# Altium PCB FPGA.PcbDoc (part 1 of 2) (continued)
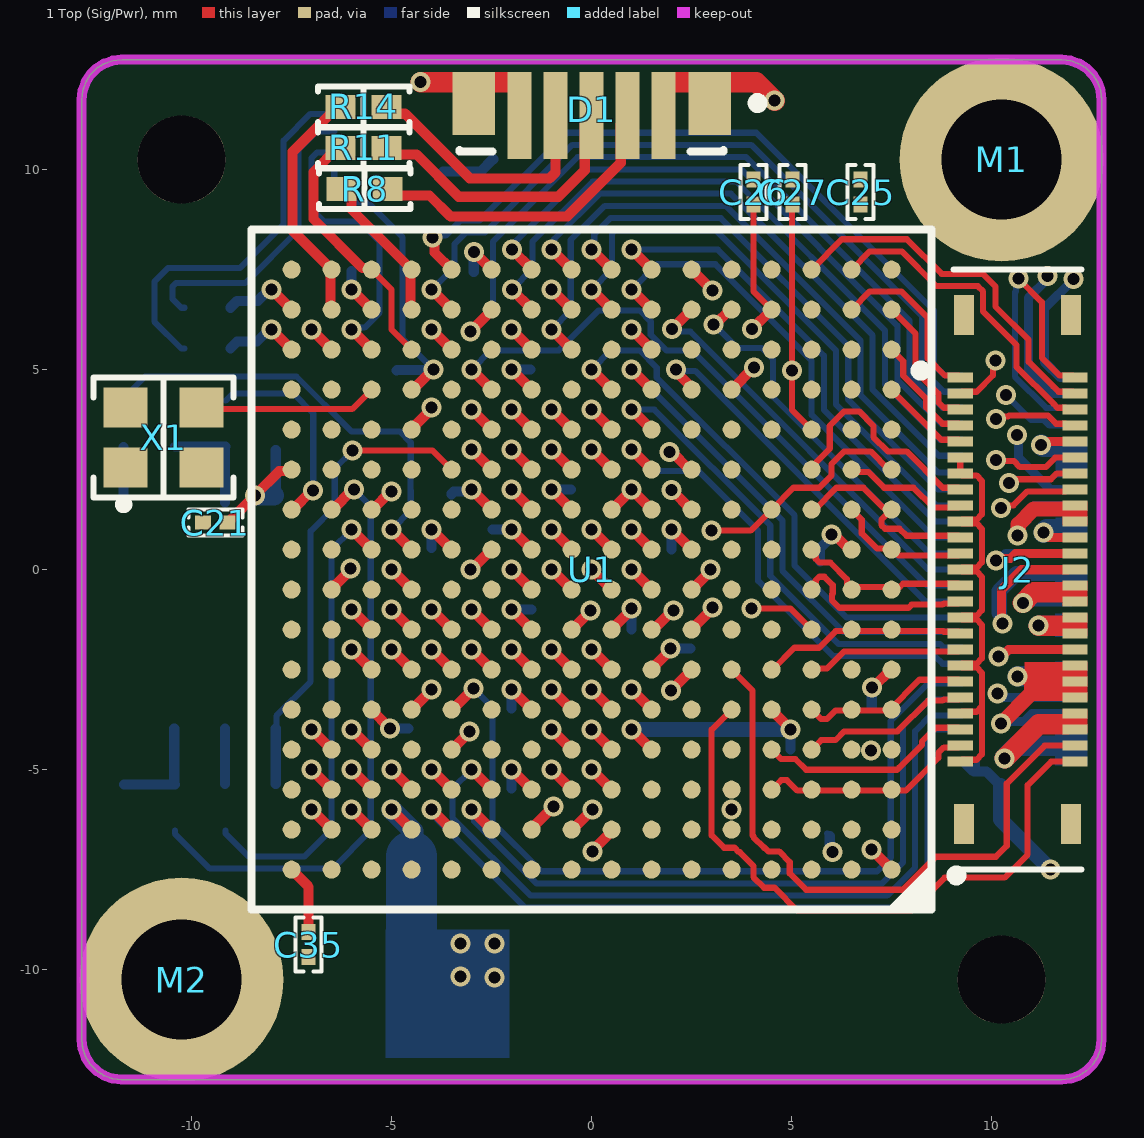
[diagram p0: 1 Top (Sig/Pwr) view]
## Footprints (in the part's own frame and the unit in brackets; to place one, negate y for a bottom-side part, rotate by r counter-clockwise, add the part's x,y. Pads: shape width x height; smd on the part's side, far side on the other; paste and mask are expansions set on the pad) (continued)
  silkscreen extent -9.24,-8.5 8.5,8.5, body extent -8.5,-8.5 8.5,8.5, height 1.55
"LED 0603_1608 RED" [mm] "Chip Diode, 2-Leads, Body 1.60x0.80mm, IPC Medium Density"
  rect 0.8x0.8 smd: 1(-0.75,0) 2(0.75,0)
  silkscreen extent -1.52,-0.7 1.52,0.7, body extent -0.8,-0.4 0.8,0.4, height 0.53
"RES 0402_1005" [mm] "Chip Resistor, 2-Leads, Body 1.0x0.5mm, IPC Medium Density"
  rect 0.75x0.6 smd: 1(-0.575,0) 2(0.575,0)
  silkscreen extent -1.14,-0.51 1.14,0.51, body extent -0.5,-0.25 0.5,0.25, height 0.35
"RES 0603_1608" [mm] "Chip Resistor, 2-Leads, Body 1.60x0.80mm, IPC Medium Density"
  rect 0.85x0.95 smd: 1(-0.65,0) 2(0.65,0)
  silkscreen extent -1.27,-0.7 1.27,0.7, body extent -0.8,-0.4 0.8,0.4, height 0.45
RoHS [mm]
  silkscreen extent 1.05,-0.9 2.85,0.9
SIT8008AI-11-XXE-100.000000 [mm]
  rect 1.1x1 smd paste+0 mask+0: 1(-0.95,-0.75) 2(0.95,-0.75) 3(0.95,0.75) 4(-0.95,0.75)
  silkscreen extent -1.75,-1.77 1.75,1.5, body extent -1.25,-1 1.25,1, height 0.75
UL [mm]
  silkscreen extent -3.57,-1.1 -0.22,0.93

## Part data
C1: library part 0402B103K6R3CT, "CAP CER 10000PF 6.3V X7R 0402", Capacitance="10000 pF", Device Package="0402 (1005 Metric)", Manufacturer="Walsin Technology Corporation", Operating Temperature="-55°C ~ 125°C", Supplier Part Number 1=1292-1173-1-ND, Temperature Coefficient=X7R, Tolerance=±10%, Voltage - Rated=6.3V, Applications="General Purpose", ComponentLink1Description=Datasheet, ComponentLink1URL=http://www.passivecomponent.com/wp-content/uploads/2018/10/MLCC.pdf, ComponentLink2Description="DigiKey Link", ComponentLink2URL=https://www.digikey.com/en/products/detail/walsin-technology-corporation/0402B103K6R3CT/9354671, lastupdated="7/10/2022 8:59:10 AM", Lifecycle Status=Active, Minimum Order=1, Mounting Type="Surface Mount, MLCC", Package / Case="0402 (1005 Metric)", Packaging=CutTape, Part Number=0402B103K6R3CT, Part Status=Active, partid=11629, price=0.01, Series=-, Size / Dimension="0.039\" L x 0.020\" W (1.00mm x 0.50mm)", Supplier 1=DigiKey, Thickness (Max)="0.022\" (0.55mm)"
C2 C3 C4 C5 C13 C14 C15 C16 C21 C22 C23 C24 C25 C26 C27 C35 C36 C37 C38 C39 C40 C41 C42: library part 02016D474KAT2A, "CAP CER 0.47UF 6.3V X5R 0201", Capacitance="0.47 µF", Device Package="0201 (0603 Metric)", Manufacturer="KYOCERA AVX", Operating Temperature="-55°C ~ 85°C", Package / Case=0201, Supplier Part Number 1=478-02016D474KAT2ACT-ND, Temperature Coefficient=X5R, Tolerance=±10%, Voltage - Rated=6.3V, Applications="General Purpose", ComponentLink1Description=Datasheet, ComponentLink1URL=https://datasheets.kyocera-avx.com/cx5r.pdf, ComponentLink2Description="DigiKey Link", ComponentLink2URL=https://www.digikey.com/en/products/detail/kyocera-avx/02016D474KAT2A/7056645, lastupdated="7/10/2022 8:56:15 AM", Lifecycle Status=Active, Minimum Order=1, Mounting Type="Surface Mount, MLCC", Packaging=TapeAndReel, Part Number=02016D474KAT2A, Part Status=Active, partid=29809, price=0.01, Series=-, Size / Dimension="0.024\" L x 0.012\" W (0.60mm x 0.30mm)", Supplier 1=DigiKey, Thickness (Max)="0.013\" (0.33mm)"
C6 C7 C11 C12 C19 C20 C29 C30 C33 C34 C43 C44: library part 04026D475MAT2A, "CAP CER 4.7UF 6.3V X5R 0402", Capacitance=4.7µF, Device Package="0402 (1005 Metric)", Manufacturer="AVX Corporation", Operating Temperature="-55°C ~ 85°C", Supplier Part Number 1=478-10071-1-ND, Temperature Coefficient=X5R, Tolerance=±20%, Voltage - Rated=6.3V, Applications="General Purpose", ComponentLink1Description=Datasheet, ComponentLink1URL=http://datasheets.avx.com/cx5r.pdf, ComponentLink2Description="DigiKey Link", ComponentLink2URL=http://digikey.com/product-detail/en/avx-corporation/04026D475MAT2A/478-10071-1-ND/6564293, lastupdated="2/8/2022 12:26:39 PM", Lifecycle Status=Active, Minimum Order=1, Mounting Type="Surface Mount, MLCC", Package / Case="0402 (1005 Metric)", Packaging=TapeAndReel, Part Number=04026D475MAT2A, Part Status=Active, partid=12333, price=0.04, Series=-, Size / Dimension="0.039\" L x 0.020\" W (1.00mm x 0.50mm)", Supplier 1=DigiKey, Thickness (Max)="0.028\" (0.71mm)"
C8 C10 C17: library part GRM188R60J476ME15D, "CAP CER 47UF 6.3V X5R 0603", Capacitance="47 µF", Device Package="0603 (1608 Metric)", Manufacturer="Murata Electronics", Operating Temperature="-55°C ~ 85°C", Supplier Part Number 1=490-13247-1-ND, Temperature Coefficient=X5R, Tolerance=±20%, Voltage - Rated=6.3V, Applications="General Purpose", ComponentLink1Description=Datasheet, ComponentLink1URL=https://www.murata.com/~/media/webrenewal/support/library/catalog/products/capacitor/mlcc/c02e.ashx?la=en-us, ComponentLink2Description="DigiKey Link", ComponentLink2URL=https://www.digikey.com/en/products/detail/murata-electronics/GRM188R60J476ME15D/5877410, lastupdated="7/10/2022 9:02:58 AM", Lifecycle Status=Active, Minimum Order=1, Mounting Type="Surface Mount, MLCC", Package / Case="0603 (1608 Metric)", Packaging=TapeAndReel, Part Number=GRM188R60J476ME15D, Part Status=Active, partid=5468, price=0.11, Series=GRM, Size / Dimension="0.063\" L x 0.031\" W (1.60mm x 0.80mm)", Supplier 1=DigiKey, Thickness (Max)="0.039\" (1.00mm)"
C9 C18 C31 C32 C45: library part GRM21BR60J107ME15L, "CAP CER 100UF 6.3V X5R 0805", Device Package="0805 (2012 Metric)", Manufacturer="Murata Electronics", Operating Temperature="-55°C ~ 85°C", Supplier Part Number 1=490-13981-1-ND, Temperature Coefficient=X5R, Tolerance=±20%, Voltage - Rated=6.3V, Applications="General Purpose", Capacitance="100 µF", ComponentLink1Description=Datasheet, ComponentLink1URL=https://search.murata.co.jp/Ceramy/image/img/A01X/G101/ENG/GRM21BR60J107ME15-01.pdf, ComponentLink2Description="DigiKey Link", ComponentLink2URL=https://www.digikey.com/en/products/detail/murata-electronics/GRM21BR60J107ME15L/6155751, lastupdated="7/10/2022 9:05:31 AM", Lifecycle Status=Active, Minimum Order=1, Mounting Type="Surface Mount, MLCC", Package / Case="0805 (2012 Metric)", Packaging=TapeAndReel, Part Number=GRM21BR60J107ME15L, Part Status=Active, partid=39849, price=0.42, Series=GRM, Size / Dimension="0.079\" L x 0.049\" W (2.00mm x 1.25mm)", Supplier 1=DigiKey, Thickness (Max)="0.057\" (1.45mm)"
C46 C47 C48: library part 0402ZC104KAT2A, "CAP CER 0.1UF 10V X7R 0402", Device Package="0402 (1005 Metric)", Manufacturer="AVX Corporation", Operating Temperature="-55°C ~ 125°C", Supplier Part Number 1=478-7891-1-ND, Temperature Coefficient=X7R, Tolerance=±10%, Voltage - Rated=10V, Applications="General Purpose", Capacitance=0.1µF, ComponentLink1Description=Datasheet, ComponentLink1URL=http://datasheets.avx.com/X7RDielectric.pdf, ComponentLink2Description="DigiKey Link", ComponentLink2URL=http://digikey.com/product-detail/en/avx-corporation/0402ZC104KAT2A/478-7891-1-ND/3881514, lastupdated="2/8/2022 12:26:59 PM", Lifecycle Status=Active, Minimum Order=1, Mounting Type="Surface Mount, MLCC", Package / Case="0402 (1005 Metric)", Packaging=TapeAndReel, Part Number=0402ZC104KAT2A, Part Status=Active, partid=1757, price=0.09, Series=-, Size / Dimension="0.039\" L x 0.020\" W (1.00mm x 0.50mm)", Supplier 1=DigiKey, Thickness (Max)="0.022\" (0.55mm)"
D1: library part CMP-08952-000007-1, "LED RGB DIFFUSED 2709 SMD R/A", Colour="Red, Green, Blue", Forward Current=20mA, Forward Voltage=2.1/3.3/3.2V, Manufacturer=Rohm, Package=MSL0104, Power Dissipation=400mW, Temperature="-40°C to +85°C", Temperature Range High=+85°C, Temperature Range Low=-40°C, Automotive=No, Automotive Grade=NA, Category=Diode, ComponentLink2Description=Datasheet, ComponentLink2URL=https://www.rohm.com/datasheet/MSL0104RGBU/msl0104rgb-e, Device Class L1=Optoelectronics, Device Class L2=LEDs, Device Class L3=unset, Digikey Description="LED RGB DIFFUSED 2709 SMD R/A", Height=2.35mm, Lead Free=Yes, Led Orientation="Side View", Luminous Intensity=700/1200/400mcd, Manufacturer Part Number=MSL0104RGBU1, Mouser Description="Standard LEDs - SMD RGB 624/527/470nm 700/1200/400mcd", Octopart=https://octopart.com/msl0104rgbu1-rohm-71139759, RoHS=TRUE, Wavelength=624/527/470nm
D2 D3: library part SML-D12U1WT86, "LED RED DIFFUSED 1608 SMD", Current - Test=20mA, Device Package="0603 (1608 Metric)", Lens Color=White, Manufacturer="Rohm Semiconductor", Millicandela Rating=63mcd, Supplier Device Package="1608 (0603)", Supplier Part Number 1=SML-D12U1WT86CT-ND, Voltage - Forward (Vf) (Typ)=2.2V, Color=Red, ComponentLink1Description=Datasheet, ComponentLink1URL=https://www.rohm.com/datasheet/SML-D12U1W, ComponentLink2Description="DigiKey Link", ComponentLink2URL=https://www.digikey.com/en/products/detail/rohm-semiconductor/SML-D12U1WT86/5843853, Configuration=Standard, Height (Max)=0.65mm, lastupdated="7/10/2022 9:48:39 AM", Lens Size="1.20mm x 0.80mm", Lens Style="Rectangle with Flat Top", Lens Transparency=Diffused, Lifecycle Status=Active, Minimum Order=1, Mounting Type="Surface Mount", Package / Case="0603 (1608 Metric)", Packaging=TapeAndReel, Part Number=SML-D12U1WT86, Part Status=Active, partid=452, price=0.02, Series=SML-D12, Size / Dimension="1.60mm L x 0.80mm W", Supplier 1=DigiKey, Wavelength - Dominant=620nm
FB1 FB2: library part BLM18AG601SN1D, "FERRITE BEAD 600 OHM 0603 1LN", Current Rating (Max)=500mA, DC Resistance (DCR) (Max)=380mOhm, Device Package="0603 (1608 Metric)", Manufacturer="Murata Electronics", Operating Temperature="-55°C ~ 125°C", Supplier Part Number 1=490-1014-1-ND, ComponentLink1Description=Datasheet, ComponentLink1URL=https://www.murata.com/en-us/products/productdata/8796738650142/ENFA0003.pdf, ComponentLink2Description="DigiKey Link", ComponentLink2URL=https://www.digikey.com/en/products/detail/murata-electronics/BLM18AG601SN1D/584225, Height (Max)="0.037\" (0.95mm)", Impedance @ Frequency="600 Ohms @ 100 MHz", lastupdated="7/10/2022 9:43:27 AM", Lifecycle Status=Active, Minimum Order=1, Mounting Type="Surface Mount", Number of Lines=1, Package / Case="0603 (1608 Metric)", Packaging=TapeAndReel, Part Number=BLM18AG601SN1D, Part Status=Active, partid=848, price=0.02, Series="EMIFIL®, BLM18", Size / Dimension="0.063\" L x 0.032\" W (1.60mm x 0.80mm)", Supplier 1=DigiKey
J1: "SlimStack Board-to-Board Receptacle, 0.40mm Pitch, FSB3 Floating Series, 3.00mm Mated Height, 3.20mm Mated Width, 50...", Manufacturer=Molex, Manufacturer Part Number=203955-0503, Supplier Part Number 1=538-204927-0501, Pricing 1="1=3.72000, 10=3.28000, 50=3.28000, 100=2.61000, 1000=2.16000, 10000=2.01000 (USD)", RoHS=No, Stock 1=8587, Supplier 1=Mouser
J2: "SlimStack Board-to-Board Plug, 0.40mm Pitch, FSB3 Floating Series, 3.00mm Mated Height, 3.20 Mated Width, 50 Circuits", Manufacturer=Molex, Manufacturer Part Number=203955-0503, Supplier Part Number 1=538-204928-0501, Pricing 1="1=4.46000, 10=3.93000, 50=3.93000, 100=3.13000, 500=3.04000, 1000=2.59000, 3000=2.41000, 6000=2.32000, 9000=2.23000, 10000=2.41000 (USD)", RoHS=No, Stock 1=8554, Supplier 1=Mouser
M1 M2: "Spacer Material: Steel, Tin-Plated Mounting: SMT Series: WA-SMST Thread D: M2", Manufacturer="Wurth Electronics", Manufacturer Part Number=9774070960R, Supplier Part Number 1=59Y8415, Category="Spacers, Standoffs", ComponentLink1Description=http://www.mouser.com/ds/2/445/9774070960R-611130.pdf?src-supplier=Mouser, ComponentLink1URL=http://www.mouser.com/ds/2/445/9774070960R-611130.pdf?src-supplier=Mouser, ComponentLink2Description=http://www.farnell.com/datasheets/1960400.pdf?src-supplier=Farnell, ComponentLink2URL=http://www.farnell.com/datasheets/1960400.pdf?src-supplier=Farnell, ComponentLink3Description=https://media.digikey.com/pdf/Data%20Sheets/Wurth%20Electronics%20PDFs/WA-SMSx_Performance_Flyer.pdf?src-supplier=Digi-Key, ComponentLink3URL=https://media.digikey.com/pdf/Data%20Sheets/Wurth%20Electronics%20PDFs/WA-SMSx_Performance_Flyer.pdf?src-supplier=Digi-Key, ComponentLink4Description=http://www.farnell.com/datasheets/1960400.pdf?src-supplier=Newark, ComponentLink4URL=http://www.farnell.com/datasheets/1960400.pdf?src-supplier=Newark, ComponentLink5Description=http://www.farnell.com/datasheets/1960400.pdf?src-supplier=Element14, ComponentLink5URL=http://www.farnell.com/datasheets/1960400.pdf?src-supplier=Element14, ComponentLink6Description=http://www.mouser.com/ds/2/445/9774110960R-611133.pdf?src-supplier=Mouser, ComponentLink6URL=http://www.mouser.com/ds/2/445/9774110960R-611133.pdf?src-supplier=Mouser, ComponentLink7Description=http://www.farnell.com/datasheets/1960407.pdf?src-supplier=Farnell, ComponentLink7URL=http://www.farnell.com/datasheets/1960407.pdf?src-supplier=Farnell, ComponentLink8Description=http://www.farnell.com/datasheets/1960407.pdf?src-supplier=Element14, ComponentLink8URL=http://www.farnell.com/datasheets/1960407.pdf?src-supplier=Element14, ComponentLink9Description=http://www.farnell.com/datasheets/1960396.pdf?src-supplier=Farnell, ComponentLink9URL=http://www.farnell.com/datasheets/1960396.pdf?src-supplier=Farnell, ComponentLink10Description=http://www.mouser.com/ds/2/445/9774050960R-611117.pdf?src-supplier=Mouser, ComponentLink10URL=http://www.mouser.com/ds/2/445/9774050960R-611117.pdf?src-supplier=Mouser, ComponentLink11Description=http://www.farnell.com/datasheets/1960396.pdf?src-supplier=Element14, ComponentLink11URL=http://www.farnell.com/datasheets/1960396.pdf?src-supplier=Element14, ComponentLink12Description=http://www.farnell.com/datasheets/1960396.pdf?src-supplier=Newark, ComponentLink12URL=http://www.farnell.com/datasheets/1960396.pdf?src-supplier=Newark, ComponentLink13Description=http://www.farnell.com/datasheets/1960359.pdf?src-supplier=Farnell, ComponentLink13URL=http://www.farnell.com/datasheets/1960359.pdf?src-supplier=Farnell, ComponentLink14Description=http://www.mouser.com/ds/2/445/9774010243R-611450.pdf?src-supplier=Mouser, ComponentLink14URL=http://www.mouser.com/ds/2/445/9774010243R-611450.pdf?src-supplier=Mouser, ComponentLink15Description=http://www.farnell.com/datasheets/1960359.pdf?src-supplier=Element14, ComponentLink15URL=http://www.farnell.com/datasheets/1960359.pdf?src-supplier=Element14, ComponentLink16Description=http://www.farnell.com/datasheets/1960359.pdf?src-supplier=Newark, ComponentLink16URL=http://www.farnell.com/datasheets/1960359.pdf?src-supplier=Newark, Inside Diameter=0.13inch, Length=0.33inch, Material=Steel, Outside Diameter=0.236inch, Plating=Tin, Pricing 1="1=1.24000, 10=1.18000, 25=1.11000, 50=1.05000, 100=0.95600 (USD)", Pricing 2="650=0.83200, 1300=0.79000 (USD)", REACH SVHC=Unknown, RoHS=Yes, Stock 1=946, Stock 2=1, Supplier 1=Newark, Threaded/Unthreaded=Unthreaded
R1: library part RQ73C1E1K0BTD, "RES 1 KOHMS 0.1% 1/16W 0402", Device Package="0402 (1005 Metric)", Manufacturer="TE Connectivity Passive Product", Operating Temperature="-55°C ~ 155°C", Power (Watts)="0.063W, 1/16W", Ratings=AEC-Q200, Resistance="1 kOhms", Supplier Device Package=0402, Supplier Part Number 1=A139941CT-ND, Temperature Coefficient=±10ppm/°C, Tolerance=±0.1%, ComponentLink1Description=Datasheet, ComponentLink1URL=//media.digikey.com/pdf/Data%20Sheets/Tyco%20Electronics%20P%20B%20PDFs/RQ73-0618%20v2.pdf, ComponentLink2Description="DigiKey Link", ComponentLink2URL=https://www.digikey.com/en/products/detail/te-connectivity-passive-product/RQ73C1E1K0BTD/9479889, Composition="Thin Film", Features="Anti-Sulfur, Automotive AEC-Q200", Height - Seated (Max)="0.016\" (0.40mm)", lastupdated="7/10/2022 9:15:05 AM", Lifecycle Status=Active, Minimum Order=1, Number of Terminations=2, Package / Case="0402 (1005 Metric)", Packaging=TapeAndReel, Part Number=RQ73C1E1K0BTD, Part Status=Active, partid=3061, price=0.28, Series=RQ73, Size / Dimension="0.039\" L x 0.020\" W (1.00mm x 0.50mm)", Supplier 1=DigiKey
R2 R3 R4 R7 R10 R13 R15 R18: library part RMCF0402FT4K70, "RES 4.7K OHM 1% 1/16W 0402", Device Package="0402 (1005 Metric)", Manufacturer="Stackpole Electronics Inc", Operating Temperature="-55°C ~ 155°C", Power (Watts)="0.063W, 1/16W", Ratings=AEC-Q200, Resistance="4.7 kOhms", Supplier Device Package=0402, Supplier Part Number 1=RMCF0402FT4K70CT-ND, Temperature Coefficient=±100ppm/°C, Tolerance=±1%, ComponentLink1Description=Datasheet, ComponentLink1URL=https://www.seielect.com/catalog/sei-packaging.pdf, ComponentLink2Description="DigiKey Link", ComponentLink2URL=https://www.digikey.com/en/products/detail/stackpole-electronics-inc/RMCF0402FT4K70/1761370, Composition="Thick Film", Features="Automotive AEC-Q200", Height - Seated (Max)="0.016\" (0.40mm)", lastupdated="7/10/2022 9:14:59 AM", Lifecycle Status=Active, Minimum Order=1, Number of Terminations=2, Package / Case="0402 (1005 Metric)", Packaging=CutTape, Part Number=RMCF0402FT4K70, Part Status=Active, partid=4917, price=0.01, Series=RMCF, Size / Dimension="0.039\" L x 0.020\" W (1.00mm x 0.50mm)", Supplier 1=DigiKey
R5: library part RK73H1ETTP1001F, "RES 1K OHM 1% 1/10W 0402", Device Package="0402 (1005 Metric)", Manufacturer="KOA Speer Electronics, Inc.", Operating Temperature="-55°C ~ 155°C", Power (Watts)="0.1W, 1/10W", Ratings=AEC-Q200, Resistance="1 kOhms", Supplier Device Package=0402, Supplier Part Number 1=2019-RK73H1ETTP1001FCT-ND, Temperature Coefficient=±100ppm/°C, Tolerance=±1%, ComponentLink1Description=Datasheet, ComponentLink1URL=http://www.koaspeer.com/catimages/Products/RK73H/RK73H.pdf, ComponentLink2Description="DigiKey Link", ComponentLink2URL=https://www.digikey.com/en/products/detail/koa-speer-electronics-inc/RK73H1ETTP1001F/9844155, Composition="Thick Film", Features="Automotive AEC-Q200, Moisture Resistant", Height - Seated (Max)="0.016\" (0.40mm)", lastupdated="7/15/2022 11:42:29 AM", Lifecycle Status=Active, Minimum Order=1, Number of Terminations=2, Package / Case="0402 (1005 Metric)", Packaging=CutTape, Part Number=RK73H1ETTP1001F, Part Status=Active, partid=16007, price=0.01, Series=RK73H, Size / Dimension="0.039\" L x 0.020\" W (1.00mm x 0.50mm)", Supplier 1=DigiKey
R6 R9 R12 R20 R21 R22 R23: library part RCA0402100RFKED, "RES SMD 100 OHM 1% 1/16W 0402", Device Package="0402 (1005 Metric)", Manufacturer="Vishay Dale", Operating Temperature="-55°C ~ 155°C", Power (Watts)="0.063W, 1/16W", Ratings=AEC-Q200, Resistance="100 Ohms", Supplier Device Package=0402, Supplier Part Number 1=541-2177-1-ND, Temperature Coefficient=±100ppm/°C, Tolerance=±1%, ComponentLink1Description=Datasheet, ComponentLink1URL=http://www.vishay.com/docs/20037/rcae3.pdf, ComponentLink2Description="DigiKey Link", ComponentLink2URL=http://digikey.com/product-detail/en/vishay-dale/RCA0402100RFKED/541-2177-1-ND/4946830, Composition="Thick Film", Features="Anti-Sulfur, Automotive AEC-Q200", Height - Seated (Max)="0.016\" (0.40mm)", lastupdated="7/10/2022 9:15:04 AM", Lifecycle Status=Active, Minimum Order=1, Number of Terminations=2, Package / Case="0402 (1005 Metric)", Packaging=TapeAndReel, Part Number=RCA0402100RFKED, Part Status=Active, partid=3179, price=0.01, Series=RCA, Size / Dimension="0.039\" L x 0.020\" W (1.00mm x 0.50mm)", Supplier 1=DigiKey
R8: library part RC0402FR-0784R5L, "RES 84.5 OHM 1% 1/16W 0402", Device Package="0402 (1005 Metric)", Manufacturer=Yageo, Operating Temperature="-55°C ~ 155°C", Power (Watts)="0.063W, 1/16W", Resistance="84.5 Ohms", Supplier Device Package=0402, Supplier Part Number 1=YAG3246CT-ND, Temperature Coefficient=±100ppm/°C, Tolerance=±1%, ComponentLink1Description=Datasheet, ComponentLink1URL=https://www.yageo.com/upload/media/product/productsearch/datasheet/rchip/PYu-RC_Group_51_RoHS_L_10.pdf, ComponentLink2Description="DigiKey Link", ComponentLink2URL=https://www.digikey.com/en/products/detail/yageo/RC0402FR-0784R5L/5281106, Composition="Thick Film", Features="Moisture Resistant", Height - Seated (Max)="0.016\" (0.40mm)", lastupdated="7/15/2022 11:42:18 AM", Lifecycle Status=Active, Minimum Order=1, Number of Terminations=2, Package / Case="0402 (1005 Metric)", Packaging=CutTape, Part Number=RC0402FR-0784R5L, Part Status=Active, partid=18988, price=0.01, Series=RC_L, Size / Dimension="0.039\" L x 0.020\" W (1.00mm x 0.50mm)", Supplier 1=DigiKey
R11: library part RN73R1ETTP1450B25, "RES 145 OHM 0.1% 1/16W 0402", Device Package="0402 (1005 Metric)", Manufacturer="KOA Speer Electronics, Inc.", Operating Temperature="-55°C ~ 155°C", Power (Watts)="0.063W, 1/16W", Ratings=AEC-Q200, Resistance="145 Ohms", Supplier Device Package=0402, Supplier Part Number 1=2019-RN73R1ETTP1450B25CT-ND, Temperature Coefficient=±25ppm/°C, Tolerance=±0.1%, ComponentLink1Description=Datasheet, ComponentLink1URL=https://media.digikey.com/pdf/Data%20Sheets/KOA%20Speer/RN73R_Type_DS.pdf, ComponentLink2Description="DigiKey Link", ComponentLink2URL=https://www.digikey.com/en/products/detail/koa-speer-electronics-inc/RN73R1ETTP1450B25/10000862, Composition="Thin Film", Features="Automotive AEC-Q200, Moisture Resistant", Height - Seated (Max)="0.016\" (0.40mm)", lastupdated="7/15/2022 11:41:49 AM", Lifecycle Status=Active, Minimum Order=1, Number of Terminations=2, Package / Case="0402 (1005 Metric)", Packaging=TapeAndReel, Part Number=RN73R1ETTP1450B25, Part Status=Active, partid=64883, price=0.06, Series=RN73R, Size / Dimension="0.039\" L x 0.020\" W (1.00mm x 0.50mm)", Supplier 1=DigiKey
R14: library part RMCF0402FT90R9, "RES 90.9 OHM 1% 1/16W 0402", Device Package="0402 (1005 Metric)", Manufacturer="Stackpole Electronics Inc", Operating Temperature="-55°C ~ 155°C", Power (Watts)="0.063W, 1/16W", Ratings=AEC-Q200, Resistance="90.9 Ohms", Supplier Device Package=0402, Supplier Part Number 1=RMCF0402FT90R9CT-ND, Temperature Coefficient=±100ppm/°C, Tolerance=±1%, ComponentLink1Description=Datasheet, ComponentLink1URL=https://www.seielect.com/catalog/sei-rmcf_rmcp.pdf, ComponentLink2Description="DigiKey Link", ComponentLink2URL=https://www.digikey.com/en/products/detail/stackpole-electronics-inc/RMCF0402FT90R9/1761634, Composition="Thick Film", Features="Automotive AEC-Q200", Height - Seated (Max)="0.016\" (0.40mm)", lastupdated="7/15/2022 11:42:31 AM", Lifecycle Status=Active, Minimum Order=1, Number of Terminations=2, Package / Case="0402 (1005 Metric)", Packaging=CutTape, Part Number=RMCF0402FT90R9, Part Status=Active, partid=15568, price=0.01, Series=RMCF, Size / Dimension="0.039\" L x 0.020\" W (1.00mm x 0.50mm)", Supplier 1=DigiKey
R16 R17 R19: library part RC0402FR-071K8L, "RES 1.8K OHM 1% 1/16W 0402", Device Package="0402 (1005 Metric)", Manufacturer=Yageo, Operating Temperature="-55°C ~ 155°C", Power (Watts)="0.063W, 1/16W", Resistance="1.8 kOhms", Supplier Device Package=0402, Supplier Part Number 1=311-1.80KLRCT-ND, Temperature Coefficient=±100ppm/°C, Tolerance=±1%, ComponentLink1Description=Datasheet, ComponentLink1URL=https://www.yageo.com/upload/media/product/productsearch/datasheet/rchip/PYu-RC_Group_51_RoHS_L_10.pdf, ComponentLink2Description="DigiKey Link", ComponentLink2URL=https://www.digikey.com/en/products/detail/yageo/RC0402FR-071K8L/726520, Composition="Thick Film", Features="Moisture Resistant", Height - Seated (Max)="0.016\" (0.40mm)", lastupdated="7/10/2022 9:15:06 AM", Lifecycle Status=Active, Minimum Order=1, Number of Terminations=2, Package / Case="0402 (1005 Metric)", Packaging=CutTape, Part Number=RC0402FR-071K8L, Part Status=Active, partid=2542, price=0.01, Series=RC_L, Size / Dimension="0.039\" L x 0.020\" W (1.00mm x 0.50mm)", Supplier 1=DigiKey
R24: library part CRCW06031K00FKEB, "RES SMD 1K OHM 1% 1/10W 0603", Device Package="0603 (1608 Metric)", Manufacturer="Vishay Dale", Operating Temperature="-55°C ~ 155°C", Power (Watts)="0.1W, 1/10W", Ratings=AEC-Q200, Resistance="1 kOhms", Supplier Device Package=0603, Supplier Part Number 1=541-2985-1-ND, Temperature Coefficient=±100ppm/°C, Tolerance=±1%, ComponentLink1Description=Datasheet, ComponentLink1URL=http://www.vishay.com/docs/20035/dcrcwe3.pdf, ComponentLink2Description="DigiKey Link", ComponentLink2URL=http://digikey.com/product-detail/en/vishay-dale/CRCW06031K00FKEB/541-2985-1-ND/6073628, Composition="Thick Film", Features="Automotive AEC-Q200", Height - Seated (Max)="0.020\" (0.50mm)", lastupdated="7/10/2022 9:22:37 AM", Lifecycle Status=Active, Minimum Order=1, Number of Terminations=2, Package / Case="0603 (1608 Metric)", Packaging=CutTape, Part Number=CRCW06031K00FKEB, Part Status=Active, partid=5123, price=0.10, Series=CRCW, Size / Dimension="0.063\" L x 0.033\" W (1.60mm x 0.85mm)", Supplier 1=DigiKey
S1: library part UL
S2: library part RoHS
S3: library part 34EngineeringLogo, "34 Engineering Silkscreen Logo"
U1: library part CMP-0383-00028-1, "Artix-7 FPGA, 170 User I/Os, 0 GTP, 256-Ball BGA, Speed Grade 1, Commercial Grade, Pb-Free", Manufacturer=Xilinx, Operating Temperature Range=Commercial, Available User I/O=170, CMTs=5, ComponentLink1Description="Manufacturer URL", ComponentLink1URL=http://www.xilinx.com/, ComponentLink2Description=Datasheet, ComponentLink2URL=http://www.xilinx.com/support/documentation/data_sheets/ds180_7Series_Overview.pdf, ComponentLink3Description=Pinout, ComponentLink3URL=http://www.xilinx.com/support/documentation/user_guides/ug475_7Series_Pkg_Pinout.pdf, ComponentLink4Description="Package Specification", ComponentLink4URL=http://www.xilinx.com/support/documentation/user_guides/ug475_7Series_Pkg_Pinout.pdf, DatasheetVersion="Rev. 1.15", GTP=0, Logic Cells=33280, Maximum Distributed RAM="400 Kb", Mounting Technology="Surface Mount", PackageDescription="256-Ball Wire-Bond Fine-Pitch Thin BGA, Body 17 x 17 mm, Pitch 1 mm", PackageReference=FTG-256, PackageVersion="Rev. 1.11", PartNumber=XC7A35T-1FTG256C, Speed Grades=1, Total Block RAM="1800 Kb"
U2: "EEPROM Memory IC 1Kb (128 x 8, 64 x 16) SPI 4 MHz 8-UDFN-EP (2x3)", ComponentLink1Description=http://www.onsemi.com/pub_link/Collateral/CAT93C46B-D.PDF?src-supplier=Avnet, ComponentLink1URL=http://www.onsemi.com/pub_link/Collateral/CAT93C46B-D.PDF?src-supplier=Avnet, ComponentLink2Description=http://www.onsemi.com/pub/Collateral/CAT93C46B-D.PDF?src-supplier=Digi-Key, ComponentLink2URL=http://www.onsemi.com/pub/Collateral/CAT93C46B-D.PDF?src-supplier=Digi-Key, Supplier 1="Arrow Electronics", Supplier Part Number 1=CAT93C46BHU4I-GT3
U3: library part CMP-78876-000010-1, "IC FLASH 16MBIT SPI/QUAD 8WSON", Frequency=133MHz, Max Operating Temperature=85°C, Min Operating Temperature=-40°C, Memory Size=16Mb, Memory Type=Non-Volatile, Mount="Surface Mount", Packaging=Rail/Tube
X1: "Oscillator MEMS 100MHz ±20ppm (Stability) 15pF HCMOS/LVCMOS 55% 2.5V/2.8V/3V/3.3V Medical 4-Pin QFN SMD T/R", Case/Package=SMD/SMT, Frequency=100MHz, Frequency Stability=20ppm, Manufacturer=SiTime, Manufacturer Part Number=SIT8008AI-11-XXE-100.000000E, Max Operating Temperature=85°C, Max Supply Current=4.5mA, Min Operating Temperature=-40°C, Category=Oscillators, ComponentLink1Description=https://media.digikey.com/pdf/Data%20Sheets/SiTime%20PDFs/New_Rev_FAQ.pdf?src-supplier=Digi-Key, ComponentLink1URL=https://media.digikey.com/pdf/Data%20Sheets/SiTime%20PDFs/New_Rev_FAQ.pdf?src-supplier=Digi-Key, Mount="Surface Mount", Packaging="Tape and Reel", Pricing 1="1000=0.93600, 2000=0.91104, 4000=0.88608, 6000=0.86112, 8000=0.83616 (USD)", RoHS=Yes, RoHS Compliant=Yes, Supplier 1=Avnet, Supplier Part Number 1=SIT8008AI-11-XXE-100.000000E

## Free pads (board coordinates)
  round 2.2 hole 2.2 unplated: 1(-10.25,10.25) 1(10.25,-10.25)

## Via types
v1: diameter 0.5, hole 0.3, 1 Top (Sig/Pwr) to 6 Bottom (Sig/Pwr), tented both sides, 156 vias

## Nets (pads, with @x,y where several pads share a name; then routed paths per layer and width w, separated by ;. In a path a pad name is that pad's centre, name@x,y a point inside that pad or via, vN(x,y) a via of type N, cw(c..) or ccw(c..) an arc to the next point about the centre after c; other vN are vias at no path point)
1.8V_PG: J1.48 J2.50 | length 7.5
  1 Top (Sig/Pwr) w0.152: v1(10.672,7.272) 11.255,6.688 11.255,5.297 11.704,4.849 12.036,4.849 J2.50@12.085,4.8
  6 Bottom (Sig/Pwr) w0.152: v1(10.672,7.272) 10.605,7.206 10.605,6.96 10.58,6.935 10.58,4.823 11.361,4.041 11.953,4.041 J1.48@11.995,4
+1: C9.2 C10.2 C11.1 C12.1 C13.1 C14.1 C15.1 C16.2 J1.50 U1.E10 U1.F7 U1.F9 U1.F11 U1.G6 U1.H9 U1.J6 U1.K9 U1.L8 | length 44.1
  1 Top (Sig/Pwr) w0.254: v1(-3,-2) U1.F11@-2.5,-2.5 ; v1(-2,-3) U1.E10@-1.5,-3.5 ; v1(-1,-2) U1.F9@-0.5,-2.5 ; v1(-1,0) U1.H9@-0.5,-0.5 ; v1(-1,2) U1.K9@-0.5,1.5 ; v1(0,3) U1.L8@0.5,2.5 ; U1.F7@1.5,-2.5 1.5,-2.475 1.975,-2 v1(1.975,-1.975) ; v1(2,1) U1.J6@2.5,0.5 ; U1.G6@2.5,-1.5 2.5,-1.487 3.025,-0.963 v1(3.025,-0.95)
  3 (Sig/Pwr) w0.152: v1(-1,-2) -0.521,-2.479 0.475,-2.479 0.979,-1.975 v1(1.975,-1.975) ; v1(-1,0) -0.5,0.5 -0.5,1.5 ; v1(-1,2) -0.5,1.5 ; v1(2,1) 1.5,1.5 -0.5,1.5
  3 (Sig/Pwr) w0.381: v1(-3,-2) v1(-2,-3) v1(-1,-2) v1(-1,0) ; v1(-1,2) v1(0,3) ; v1(1.975,-1.975) 1.987,-1.975 3.012,-0.95 v1(3.025,-0.95) 3.025,-0.924 3.593,-0.356 3.593,1.976 3.284,2.284 ; v1(2,1) 3.284,2.284 ; v1(12.05,7.262) 12.027,7.24 12.027,7.132 10.713,5.818 6.818,5.818 3.284,2.284
  6 Bottom (Sig/Pwr) w0.229: J1.50@11.995,4.8 11.715,4.8 11.323,5.192 11.323,6.536 v1(12.05,7.262)
  6 Bottom (Sig/Pwr) w0.254: C16.2@-2,-3.475 v1(-2,-3) ; v1(-1,2) C15.1@-0.52,2 ; v1(1.975,-1.975) C13.1@2.465,-1.975 ; C14.1@2,0.5 v1(2,1)
+1.8: C3.2 C4.2 C5.2 C6.2 C7.2 C8.2 FB1.2 J1.40 J1.41 J1.43 J2.40 U1.G10 U1.J10 U1.K11 U1.L10 | length 14.5
  1 Top (Sig/Pwr) w0.229: v1(11.297,0.925) 11.422,0.8 J2.40@12.085,0.8
  1 Top (Sig/Pwr) w0.254: v1(-3,2) U1.K11@-2.5,1.5 ; v1(-2,-1) U1.G10@-1.5,-1.5 ; v1(-2,1) U1.J10@-1.5,0.5 ; v1(-2,3) U1.L10@-1.5,2.5
  3 (Sig/Pwr) w0.381: v1(-2,1) v1(-3,2) v1(-2,3) ; v1(10.629,3.37) 10.646,3.37 10.991,3.714 11.482,3.714 11.829,3.367 11.829,2.428 11.297,1.896 v1(11.297,0.925)
  6 Bottom (Sig/Pwr) w0.229: v1(10.629,3.37) 10.676,3.323 10.676,2.794 11.465,2.004 11.546,2.004 11.55,2 J1.43@11.717,2
  6 Bottom (Sig/Pwr) w0.254: C3.2@-3.5,1.88 -3.5,1.905 -3.452,1.953 -3.047,1.953 v1(-3,2) ; C4.2@-2.48,1 v1(-2,1) ; v1(-2,-1) C5.2@-1.5,-1
  6 Bottom (Sig/Pwr) w0.508: v1(11.297,0.925) 11.379,1.006 11.578,1.006